# Altium PCB NewGateway.PcbDoc
Units mm, origin at the board's own origin, x right, y up, seen from the top; angles counter-clockwise.
Board outline 98 x 80 mm, 2 copper layers (Top Layer, Bottom Layer); 90 components, 62 nets, 257 pads, 67 vias.
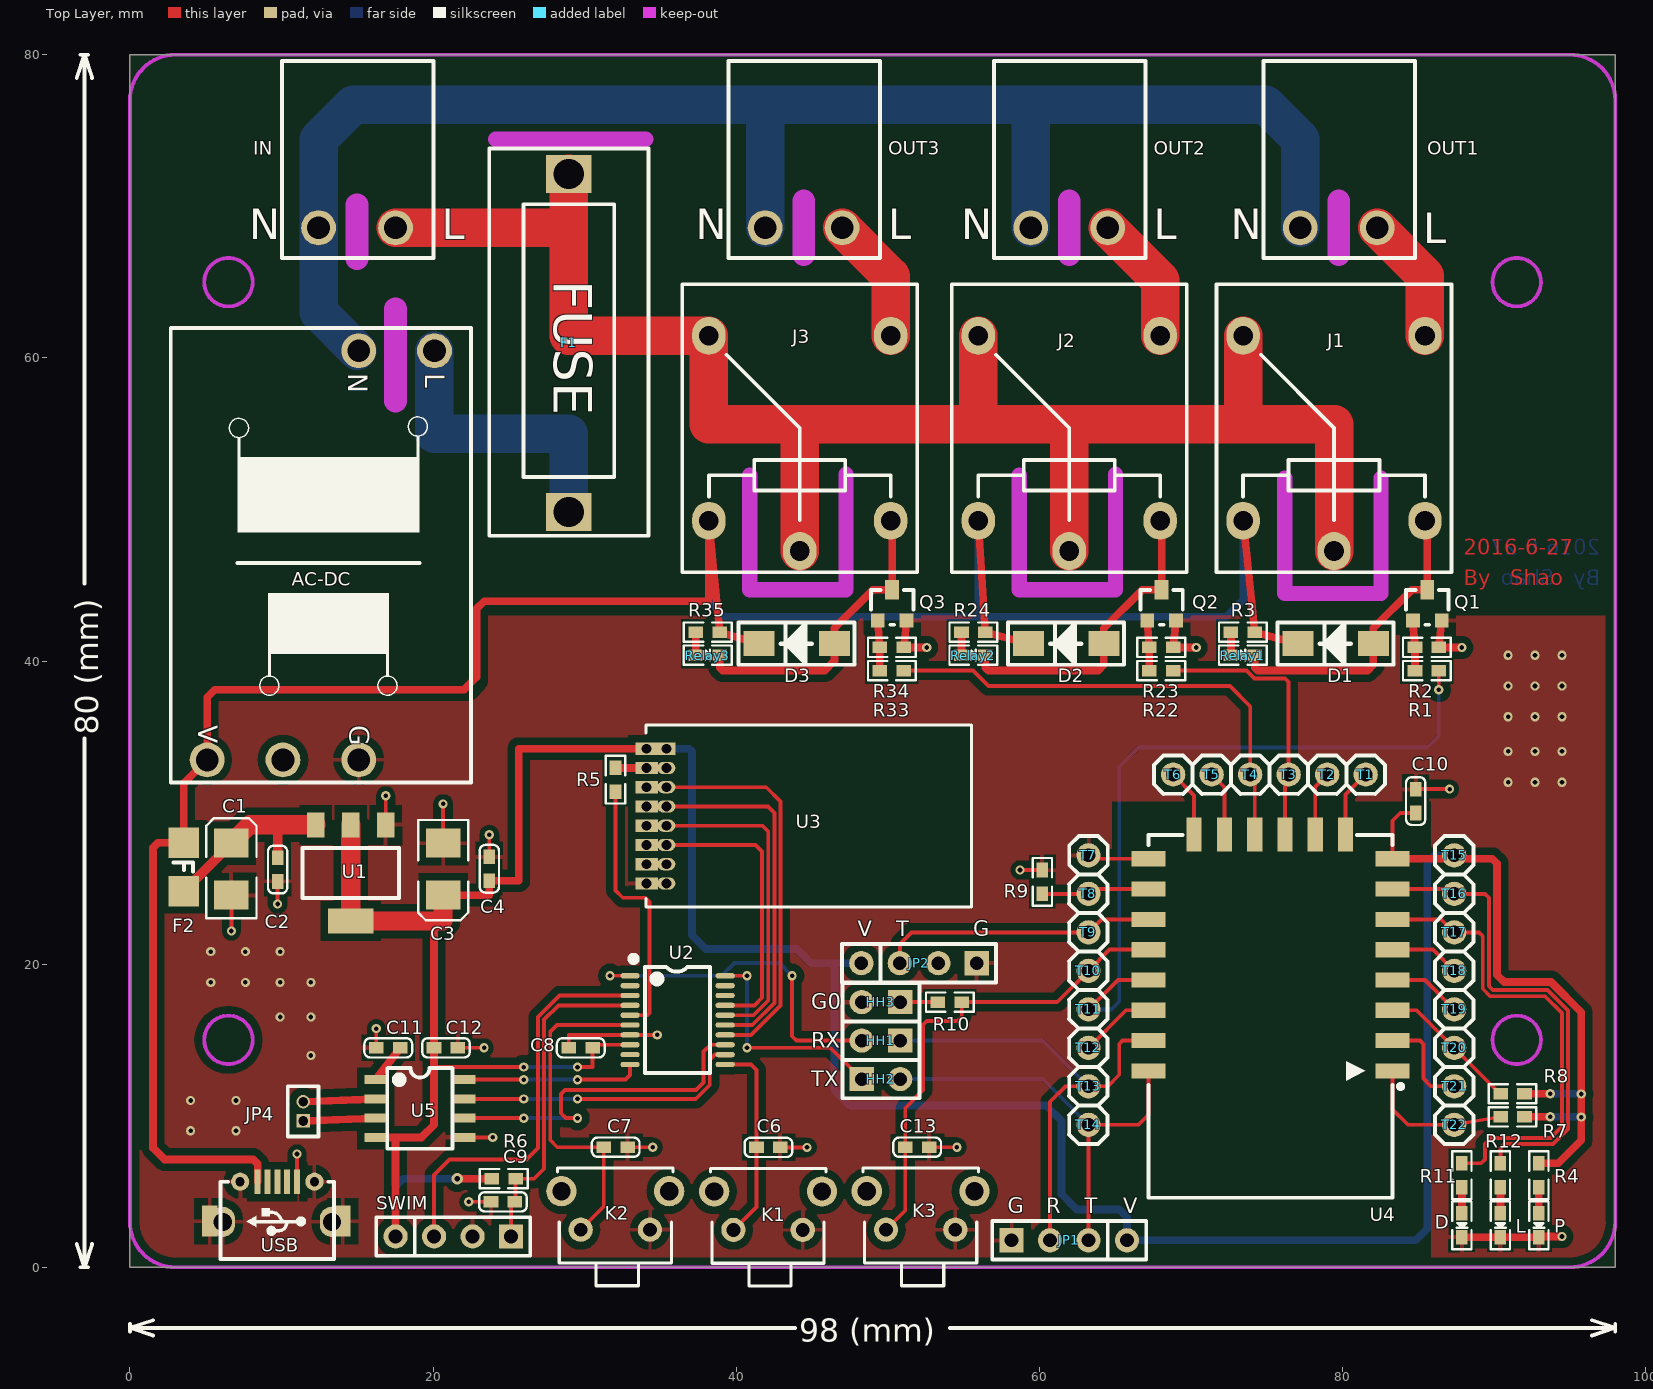
[diagram p0: Top Layer view]
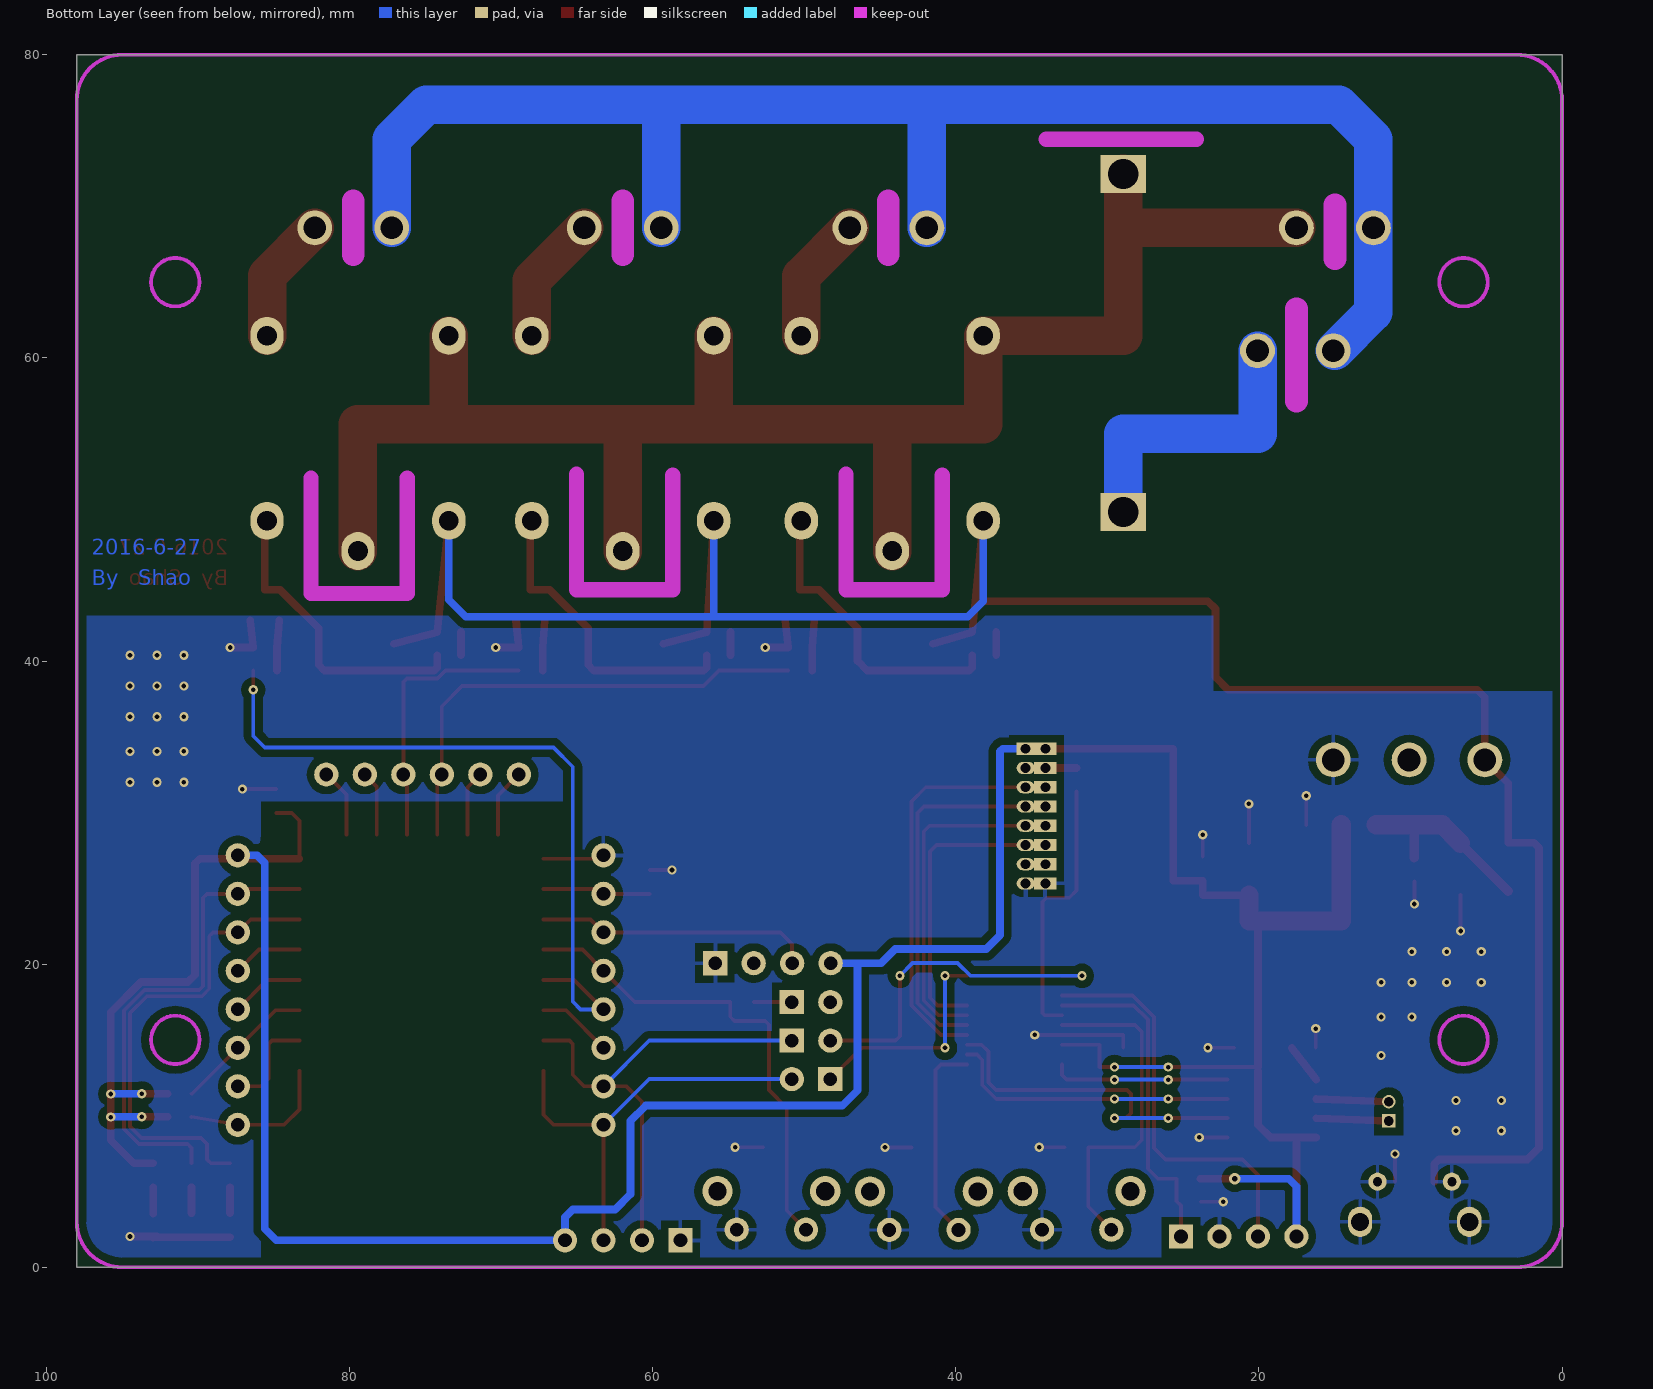
[diagram p1: Bottom Layer view, seen from below]
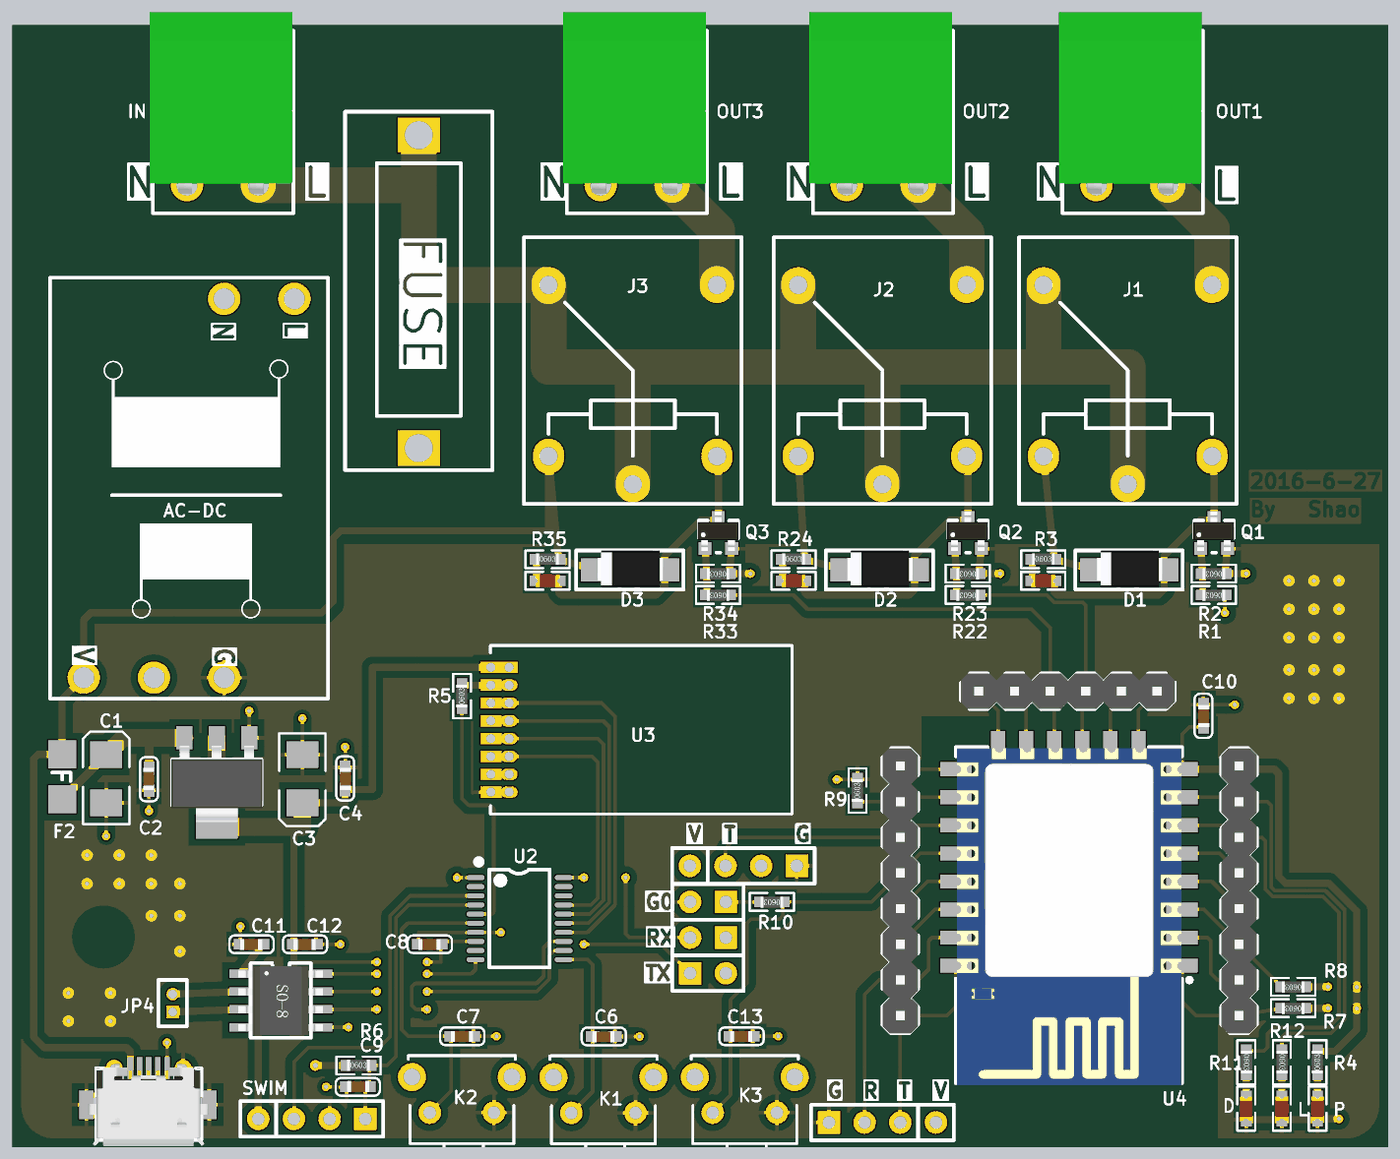
[diagram p2: 3D render of the assembled board from above, using the file's embedded part models]

## Layer stack, top to bottom
Top Layer: signal copper 0.0356
Dielectric: dielectric 0.32, FR-4, Dk 4.8
Bottom Layer: signal copper 0.0356

## Board outline
0,0 0,80 98,80 98,0

## Design rules (kind name [scope] priority, off if disabled: settings)
Clearance "InPolygon TO InPolygon" [IsRegion vs InPolygon] p1: gap=0.762
Clearance Clearance_InPolygon [InPolygon] p2: gap=0.508
Clearance Clearance_IsKeepOut [IsKeepOut] p3: gap=0.508
Clearance Clearance_IsPad [IsPad] p4: gap=0.152
Clearance Clearance_IsVia [IsVia] p5: gap=0.152
Clearance [All] p6: gap=0.152
ComponentClearance [All] p1 off: gap=0.254 collisioncheckmode=3 verticalgap=0.254 showdistances=FALSE
HoleSize [All] p1: absolutevalues=TRUE maxlimit=5.08 minlimit=0.152 maxpercent=80.000 minpercent=20.000
HoleToHoleClearance [All] p1 off: gap=0.254 allowstackedmicrovias=TRUE
MinimumSolderMaskSliver [All] p1 off: minsoldermaskwidth=0.254
PlaneClearance [All] p1: clearance=0.305
PlaneConnect PlaneConnect_IsVia [IsVia] p1: planeconnectstyle=Direct reliefexpansion=0.508 reliefentries=4 reliefconductorwidth=0.254 reliefairgap=0.254
PlaneConnect [All] p2: planeconnectstyle=Relief reliefexpansion=0.508 reliefentries=4 reliefconductorwidth=0.254 reliefairgap=0.254
PolygonConnect PolygonConnect_Direct [InNetClass('去除地')] p1: connectstyle=Direct reliefconductorwidth=0.254 reliefentries=4 polygonreliefangle="90 Angle"
PolygonConnect PolygonConnect_IsVia [IsVia] p2: connectstyle=Direct reliefconductorwidth=0.254 reliefentries=4 polygonreliefangle="90 Angle"
PolygonConnect PolygonConnect_IsThruPin [IsThruPin vs InNet('GND')] p3: connectstyle=Relief reliefconductorwidth=0.254 reliefentries=4 polygonreliefangle="90 Angle"
PolygonConnect PolygonConnect_IsSMTPin [IsSMTPin vs InNet('GND')] p4: connectstyle=Relief reliefconductorwidth=0.254 reliefentries=4 polygonreliefangle="90 Angle"
RoutingVias [All] p1: holewidth=0.305 width=0.61 viastyle="Through Hole" minholewidth=0.305 minwidth=0.61 maxholewidth=5.08 maxwidth=12.7
SilkToSilkClearance [All] p1 off: silktosilkclearance=0.254
SilkscreenOverComponentPads [All] p1 off: minsilkscreentomaskgap=0.254
SolderMaskExpansion [All] p1: expansion=0.102
Width [All] p1: maxlimit=12.7 minlimit=0.152 preferedwidth=0.254
20 further rules are at their usual default settings.

## Classes and differential pairs
net class 去除地: +3.3V +5V ADC CH_PD CS0 D DKA_BUSY DKA_RET DKA_SD DTX F GDO0 GDO2 GPIO0 GPIO5 GPIO14 GPIO15 GPIO16 L MISO MOSI N NetAC-DC_L NetC1_1 NetC6_1 NetC11_2 NetD1_1 NetD2_1 NetD3_1 NetDEPLOY_1 NetHH1_2 NetHH2_1 NetHH3_1 NetJP4_1 NetJP4_2 NetLINK_1 NetPower_1 NetQ1_B NetQ2_B NetQ3_B NetR3_1 NetR24_1 NetR35_1 PA2 PA3 RELAY1 RELAY2 RELAY3 RESET RST RX SCLK SPI_CSN SPI_MISO SPI_MOSI SPI_SCK SWIM TX

## Components (designator, comment, footprint, x,y, rotation, side; value= is the part's Value field where it differs from the comment)
AC-DC "AC-DC" AC-DC 2.794,61.976 r270 top
C1 "22uF" C3528 6.694,26.268 r90 top
C2 "104" C0603 9.742,27.03 r270 top
C3 "22uF" C3528 20.664,26.268 r270 top
C4 "104" C0603 23.712,25.506 r90 top
C6 "104" C0603 41.344,7.906 r0 top
C7 "104" C0603 31.262,7.922 r0 top
C8 "104" C0603 28.956,14.478 r0 top
C9 "104" C0603 25.4,4.318 r180 top
C10 "104" C0603 84.836,29.972 r90 top
C11 "104" C0603 16.256,14.478 r0 top
C12 "104" C0603 20.066,14.478 r0 top
C13 "104" C0603 51.156,7.922 r0 top
D "LED" LED0603 87.884,3.556 r270 top (schematic designator DEPLOY)
D1 "M7" DO-214A 82.042,41.148 r180 top
D2 "M7" DO-214A 64.262,41.148 r180 top
D3 "M7" DO-214A 46.482,41.148 r180 top
F1 "FUSE" "Fuse Holder" 28.956,72.136 r270 top
F2 "FUSE" F1208 3.556,26.416 r270 top
HH1 "" SIP2-2.54MM 50.822,14.956 r180 top
HH2 "" SIP2-2.54MM 48.282,12.416 r0 top
HH3 "" SIP2-2.54MM 50.822,17.496 r180 top
IN "" 2EDG_5.08_2P 14.986,68.58 r180 top
J1 "HRS4H-S-DC5V" HRS4H 79.448,54.356 r0 top
J2 "HRS4H-S-DC5V" HRS4H 61.976,54.356 r0 top
J3 "HRS4H-S-DC5V" HRS4H 44.196,54.356 r0 top
JP1 "烧写" SIP4-2.54MM 58.166,1.778 r0 top
JP2 "TX1" SIP4-2.54MM 55.88,20.066 r180 top
JP4 "speaker" SIP2-1.27MM 11.43,9.652 r90 top
K1 "SET" SW-TACT-4.5MM 42.106,-1.238 r0 top
K2 "RESET" SW-TACT-4.5MM 32.024,-1.222 r0 top
K3 "Relay" SW-TACT-4.5MM 52.172,-1.222 r0 top
L "LED" LED0603 90.424,3.556 r270 top (schematic designator LINK)
OUT1 "" 2EDG_5.08_2P 79.756,68.58 r180 top
OUT2 "" 2EDG_5.08_2P 61.976,68.58 r180 top
OUT3 "" 2EDG_5.08_2P 44.45,68.58 r180 top
P "LED" LED0603 92.964,3.556 r270 top (schematic designator Power)
Q1 "NPN" SOT23 85.598,44.704 r0 top
Q2 "NPN" SOT23 68.072,44.704 r0 top
Q3 "NPN" SOT23 50.292,44.704 r0 top
R1 "1K" R0603 86.36,39.37 r180 top
R2 "10K" R0603 86.36,40.894 r180 top
R3 "1K" R0603 72.644,41.91 r0 top
R4 "1K" R0603 92.964,5.283 r90 top
R5 "1K" R0603 32.036,31.38 r90 top
R6 "10K" R0603 23.876,5.842 r0 top
R7 "10K" R0603 92.011,9.925 r180 top
R8 "10K" R0603 92.011,11.449 r180 top
R9 "10K" R0603 60.198,24.638 r90 top
R10 "10K" R0603 54.886,17.496 r180 top
R11 "1K" R0603 87.884,6.858 r270 top
R12 "1K" R0603 90.424,6.858 r270 top
R22 "1K" R0603 68.834,39.37 r180 top
R23 "10K" R0603 68.834,40.894 r180 top
R24 "1K" R0603 54.864,41.91 r0 top
R33 "1K" R0603 51.054,39.37 r180 top
R34 "10K" R0603 51.054,40.894 r180 top
R35 "1K" R0603 37.338,41.91 r0 top
Relay1 "LED" LED0603 72.644,40.386 r0 top
Relay2 "LED" LED0603 54.864,40.386 r0 top
Relay3 "LED" LED0603 37.338,40.386 r0 top
SWIM "SWIM" SIP4-2.54MM 25.146,2.032 r180 top (schematic designator JP3)
T1 "" TP 81.534,32.512 r180 top
T2 "" TP 78.994,32.512 r180 top
T3 "" TP 76.454,32.512 r180 top
T4 "" TP 73.914,32.512 r180 top
T5 "" TP 71.374,32.512 r180 top
T6 "" TP 68.834,32.512 r180 top
T7 "" TP 63.246,27.178 r0 top
T8 "" TP 63.246,24.638 r90 top
T9 "" TP 63.246,22.098 r90 top
T10 "" TP 63.246,19.558 r90 top
T11 "" TP 63.246,17.018 r90 top
T12 "" TP 63.246,14.478 r90 top
T13 "" TP 63.246,11.938 r90 top
T14 "" TP 63.246,9.398 r90 top
T15 "" TP 87.376,27.178 r0 top
T16 "" TP 87.376,24.638 r90 top
T17 "" TP 87.376,22.098 r90 top
T18 "" TP 87.376,19.558 r90 top
T19 "" TP 87.376,17.018 r90 top
T20 "" TP 87.376,14.478 r90 top
T21 "" TP 87.376,11.938 r90 top
T22 "" TP 87.376,9.398 r90 top
U1 "AMS1117" SOT223 14.568,26.014 r180 top
U2 "STM8L101-TSSOP20" TSSOP20 36.136,16.306 r0 top
U3 "CC1101" CC1101S 34.068,23.76 r0 top
U4 "ESP8266" ESP-12E 83.312,12.954 r180 top
U5 "DKA120" SOIC8 19.136,10.472 r0 top
USB "USB" USB-Micro 9.652,4.318 r90 top

## Footprints (in the part's own frame and the unit in brackets; to place one, negate y for a bottom-side part, rotate by r counter-clockwise, add the part's x,y. Pads: shape width x height; smd on the part's side, far side on the other; paste and mask are expansions set on the pad)
2EDG_5.08_2P [mm] "2EDG连接器"
  round 2.3 hole 1.5: 1(-2.54,0) 2(2.54,0)
  silkscreen extent -5.04,-11 4.96,2, body extent -4.95,-12.32 5.21,0.64, height 8.2
AC-DC [mm]
  round 2.3 hole 1.5: 5V(28.5,2.3) C(28.5,7.3) GND(28.5,12.3) L(1.5,17.3) N(1.5,12.3)
  silkscreen extent 0,-0.1 30,19.7
C0603 [mil]
  rect 38x30 smd: 1(0,0) 2(62,0)
  silkscreen extent -31,-25 93,25, body extent -1,-16 61,15, height 24
C3528 [mil]
  rect 75x90 smd: 1(67.5,0) 2(-67.5,0)
  silkscreen extent -128,-65 132,65
CC1101S [mm] "AS07-M1101S"
  rect 1.5x0.8 hole 0.65: 1(0.023,10.453) 2(0.023,9.183) 3(0.023,7.913) 4(0.023,6.643) 5(0.023,5.373) 6(0.023,4.103) 7(0.023,2.833) 8(0.023,1.563)
  rect 1.2x0.8 hole 0.65: 1(1.323,10.453)
  oval 1.2x0.8 hole 0.65: 2(1.323,9.183) 3(1.323,7.913) 4(1.323,6.643) 5(1.323,5.373) 6(1.323,4.103) 7(1.323,2.833) 8(1.323,1.563)
  silkscreen extent -0.01,0 21.46,12.01
DO-214A [mil]
  rect 80x65 smd: 1(0,0) 2(196,0)
  silkscreen extent -52,-55 249,55, body extent 5,-55 189,49, height 89
ESP-12E [mm] "ESP-12E Wi-Fi Module by AI-Thinker"
  rect 2.25x1 smd: 1(0,0) 2(0,-2) 3(0,-4) 4(0,-6) 5(0,-8) 6(0,-10) 7(0,-12) 8(0,-14) 15(16.1,-14) 16(16.1,-12) 17(16.1,-10) 18(16.1,-8) 19(16.1,-6) 20(16.1,-4) 21(16.1,-2) 22(16.1,0)
  rect 1x2.25 smd: 9(3.1,-15.6) 10(5.1,-15.6) 11(7.1,-15.6) 12(9.1,-15.6) 13(11.1,-15.6) 14(13.1,-15.6)
  silkscreen extent -0.67,-15.57 16.11,8.37, body extent 0.03,-15.49 16.03,8.51, height 2.75
F1208 [mm] "贴片保险丝-1A"
  rect 2x2 smd: 1(-1.6,0) 2(1.6,0)
  silkscreen extent -0.3,-0.7 0.3,0.6
"Fuse Holder" [mm] "保险丝座底座"
  rect 2.5x3 hole 2: 1(0,0) 2(22.3,0)
  silkscreen extent -1.68,-5.25 23.87,5.25
HRS4H [mm] "继电器-10A"
  oval 2.2x2.5 hole 1.3: 1(-6,-5.1) 2(6,-5.1) 3(0,-7.1) 4(6,7.1) 5(-6,7.1)
  silkscreen extent -7.75,-8.5 7.75,10.5
LED0603 [mil]
  rect 38x30 smd: 1(0,0) 2(62,0)
  silkscreen extent -31,-25 93,25, body extent -2,-18 64,17, height 35
R0603 [mil]
  rect 38x30 smd: 1(0,0) 2(62,0)
  silkscreen extent -31,-25 93,25, body extent 0,-15 62,16, height 18
SIP2-1.27MM [mil]
  rect 35x35 hole 25: 1(0,0)
  round 35 hole 25: 2(50,0)
  silkscreen extent -40,-40 90,40
SIP2-2.54MM [mm]
  rect 1.6x1.6 hole 0.9: 1(0,0)
  round 1.6 hole 0.9: 2(2.54,0)
  silkscreen extent -1.27,-1.27 3.81,1.27
SIP4-2.54MM [mm]
  rect 1.6x1.6 hole 0.9: 1(0,0)
  round 1.6 hole 0.9: 2(2.54,0) 2(2.54,0) 3(5.08,0) 4(7.62,0)
  silkscreen extent -1.27,-1.27 8.89,1.27
SOIC8 [mm]
  rect 1.5x0.6 smd: 1(-2.921,1.905) 2(-2.921,0.635) 3(-2.921,-0.635) 4(-2.921,-1.905) 5(2.921,-1.905) 6(2.921,-0.635) 7(2.921,0.635) 8(2.921,1.905)
  silkscreen extent -2.16,-2.65 2.14,2.68, body extent -3.02,-2.46 2.98,2.44, height 1.7
SOT23 [mil]
  rect 36x36 smd: B(-37.5,-80) E(37.5,-80)
  rect 36x50 smd: C(0,0)
  silkscreen extent -55,-91 55,-1, body extent -58,-86 56,24, height 51
SOT223 [mil]
  rect 45x65 smd: 1(-91,-125) 2(0,-125) 3(91,-125)
  rect 118x65 smd: 4(0,125)
  silkscreen extent -125,-65 125,65, body extent -128,-134 128,142, height 55
SW-TACT-4.5MM [mm]
  round 1.6 hole 0.9: 1(-2.286,3.7) 2(2.286,3.7)
  round 2 hole 1.2: 3(-3.556,6.24) 4(3.556,6.24)
  silkscreen extent -3.81,0 3.81,7.76
TP [mm]
  round 1.6 hole 0.9: 1(0,0)
  silkscreen extent -1.27,-1.26 1.27,1.28, body extent -1.27,-1.27 1.27,1.27, height 8.54
TSSOP20 [mm]
  oval 1.27x0.35 smd: 1(-3.137,2.925) 2(-3.137,2.275) 3(-3.137,1.625) 4(-3.137,0.975) 5(-3.137,0.325) 6(-3.137,-0.325) 7(-3.137,-0.975) 8(-3.137,-1.625) 9(-3.137,-2.275) 10(-3.137,-2.925) 11(3.137,-2.925) 12(3.137,-2.275) 13(3.137,-1.625) 14(3.137,-0.975) 15(3.137,-0.325) 16(3.137,0.325) 17(3.137,0.975) 18(3.137,1.625) 19(3.137,2.275) 20(3.137,2.925)
  silkscreen extent -3.06,-3.48 2.14,4.19
USB-Micro [mm] "直插Micro-USB"
  rect 1.6x0.4 smd: 1(1.325,1.227) 2(1.325,0.577) 3(1.325,-0.073) 4(1.325,-0.723) 5(1.325,-1.373)
  oval 2x1.6 hole 1.2: 6(-1.325,3.527) 7(-1.325,-3.673)
  rect 2.032x1.016 smd: 6(-1.275,4.381) 7(-1.275,-4.381)
  round 1.2 hole 0.6: 8(1.325,2.377) 9(1.325,-2.523)
  silkscreen extent -3.77,-3.82 1.32,3.68, body extent -4.23,-4.36 1.64,4.24, height 2.73

## Part data
AC-DC: "5V700mA(3.5W) 隔离开关电源模块/AC-DC降压模块"
C1 C3: library part CAPACITOR, "极性电容"
C2 C4 C6 C7 C8 C9 C10 C11 C12 C13: library part CAP, "无极性电容"
D L P Relay1 Relay2 Relay3: "LED灯"
D1 D2 D3: library part DIODE, "二极管"
F1 F2: "保险丝"
HH1 HH2 HH3 IN JP4 OUT1 OUT2 OUT3: library part "HEADER 2X1", "2P接插件"
J1 J2 J3: "HKE汇港继电器"
JP1 JP2 SWIM: library part "HEADER 4X1", "4P接插件"
K1 K2 K3: library part SW-PB, "按键"
Q1 Q2 Q3: "NPN三极管"
R1 R2 R3 R4 R5 R6 R7 R8 R9 R10 R11 R12 R22 R23 R24 R33 R34 R35: library part RES2, "贴片电阻"
T1 T2 T3 T4 T5 T6 T7 T8 T9 T10 T11 T12 T13 T14 T15 T16 T17 T18 T19 T20 T21 T22: library part TP, "测试点/触摸点"
U1: "稳压芯片(LDO)"
U2: "STM8单片机20引脚"
U3: library part "HEADER 8X1", "8P接插件"
U4: library part ESP8266-12E, "ESP8266贴片模块12E-F"
U5: "语音芯片http://www.dk1699.com/"
USB: "通用串行总线(USB)"

## Via types
v1: diameter 0.61, hole 0.305, Top Layer to Bottom Layer, 66 vias
v2: diameter 0.762, hole 0.381, Top Layer to Bottom Layer, 1 vias

## Nets (pads, with @x,y where several pads share a name; then routed paths per layer and width w, separated by ;. In a path a pad name is that pad's centre, name@x,y a point inside that pad or via, vN(x,y) a via of type N, cw(c..) or ccw(c..) an arc to the next point about the centre after c; other vN are vias at no path point)
+3.3V: C3.1 C4.1 C8.2 C10.1 C12.1 JP1.4 JP2.4 R4.2 R6.1 R7.1 R8.1 SWIM.4 T15.1 U1.2 U1.4 U2.8 U3.1 U4.8 U5.4 | length 237.6
  Top Layer w0.254: 20.066,12.954 20.066,13.208 v1(25.977,13.208) ; v1(29.533,13.208) 30.531,13.208 C8.2 30.531,14.681 U2.8 ; U4.8 83.312,29.464 83.82,29.972 C10.1
  Top Layer w0.508: U5.4 17.526,8.567 ; SWIM.4 17.526,8.567 ; 20.066,12.954 20.066,9.398 19.235,8.567 17.526,8.567 ; 20.066,13.208 C12.1 20.066,22.839 ; C3.1 23.712,24.553 C4.1 25.654,25.506 25.654,34.213 U3.1@34.091,34.213 ; v2(21.59,5.842) R6.1 ; U4.8 89.886,26.954 90.195,26.645 90.195,19.304 90.678,18.821 93.76,18.821 95.758,16.823 v1(95.758,11.43) v1(95.758,9.906) 95.758,8.382 94.234,6.858 R4.2 ; R7.1 v1(93.707,9.925) ; R8.1 v1(93.707,11.449)
  Top Layer w1.27: U1.2 U1.4 20.066,22.839 20.664,22.839 C3.1
  Bottom Layer w0.254: v1(25.977,13.208) v1(29.533,13.208)
  Bottom Layer w0.508: SWIM.4 17.526,5.334 18.034,5.842 v2(21.59,5.842) ; U3.1@35.391,34.213 36.907,34.213 37.084,34.036 37.084,21.916 38,21 44,21 44.934,20.066 JP2.4 ; 46.482,19.812 46.482,11.684 47.498,10.668 60.452,10.668 61.468,9.652 61.468,4.826 62.484,3.81 65.278,3.81 65.786,3.302 JP1.4 84.836,1.778 85.598,2.54 85.598,26.67 86.106,27.178 T15.1 ; v1(93.707,9.925) 95.739,9.925 v1(95.758,9.906) ; v1(93.707,11.449) 95.739,11.449 v1(95.758,11.43)
+5V: AC-DC.5V D1.2 D2.2 D3.2 F2.1 J1.1 J2.1 J3.1 R3.2 R24.2 R35.2 USB.1 | length 168.5
  Top Layer w0.508: USB.1 8.425,6.815 8.128,7.112 2.286,7.112 1.524,7.874 1.524,27.686 1.854,28.016 F2.1 3.556,31.938 AC-DC.5V 5.094,37.606 5.588,38.1 22.04,38.1 22.86,38.92 22.86,43.434 23.368,43.942 35.814,43.942 38.196,43.942 J3.1@38.196,49.064 ; D3.2 R35.2 J3.1 ; J2.1 R24.2 D2.2 ; J1.1 R3.2 D1.2 ; J3.1@38.196,49.064 38.1,49.16 J3.1 ; J3.1@38.196,49.064 J3.1
  Bottom Layer w0.508: J3.1 38.196,43.948 39.218,42.926 56.134,42.926 ; J2.1 55.976,43.084 56.134,42.926 ; J1.1 73.448,44.035 72.339,42.926 56.134,42.926
ADC: T21.1 U4.2 | length 6.7
  Top Layer w0.254: U4.2 85.122,14.954 85.344,14.732 85.344,12.446 85.852,11.938 T21.1
CH_PD: R8.2 T20.1 U4.3 | length 9.4
  Top Layer w0.254: U4.3 84.9,16.954 T20.1 90.405,11.449 R8.2
CS0: T1.1 U4.9 | length 4.5
  Top Layer w0.254: U4.9 80.212,31.19 T1.1
DEPLOY: R11.1 T17.1 U4.6 | length 32
  Top Layer w0.254: U4.6 86.52,22.954 T17.1 89.002,22.098 89.256,21.844 89.256,18.374 89.748,17.882 91.948,17.882 ; R11.1 89.154,6.858 89.408,7.112 89.408,8.128 89.814,8.534 93.726,8.534 94.488,9.296 94.488,16.764 93.37,17.882 91.948,17.882 ; 92.456,17.882 91.948,17.882
DKA_BUSY: U2.10 U5.8 | length 11.8
  Top Layer w0.254: U5.8 v1(25.977,12.377) ; v1(29.533,12.377) 32.697,12.377 32.999,12.679 U2.10
  Bottom Layer w0.254: v1(25.977,12.377) v1(29.533,12.377)
DKA_RET: U2.13 U5.6 | length 23.3
  Top Layer w0.254: U5.6 v1(25.977,9.837) ; v1(29.533,9.837) 28.771,9.837 28.448,10.16 28.448,11.43 28.709,11.691 37.345,11.691 37.846,12.192 37.846,14.224 38.303,14.681 U2.13
  Bottom Layer w0.254: v1(25.977,9.837) v1(29.533,9.837)
DKA_SD: U2.12 U5.7 | length 19.4
  Top Layer w0.254: U5.7 v1(25.977,11.107) ; v1(29.533,11.107) 37.336,11.107 38.252,12.024 38.252,13.675 38.608,14.031 U2.12
  Bottom Layer w0.254: v1(25.977,11.107) v1(29.533,11.107)
DTX: JP2.3 T9.1 U4.17 | length 18.4
  Top Layer w0.254: JP2.3 50.8,21.336 51.562,22.098 T9.1 64.102,22.954 U4.17
F1: J1.4 OUT1.1 | length 8.4
  Top Layer w2.54: OUT1.1 85.448,65.428 J1.4
F2: J2.4 OUT2.1 | length 8.6
  Top Layer w2.54: OUT2.1 67.976,65.12 J2.4
F3: J3.4 OUT3.1 | length 8.5
  Top Layer w2.54: OUT3.1 50.196,65.374 J3.4
GDO0: R5.2 U3.2 | length 2.1
  Top Layer w0.508: R5.2@32.036,32.943 U3.2@34.091,32.943
GDO2: U3.7
GND: AC-DC.GND C1.2 C2.2 C3.2 C4.2 C6.2 C7.2 C8.1 C9.2 C10.2 C11.1 C12.2 C13.2 D.2 HH3.2 JP1.1 JP2.1 K1.2 K2.2 K3.2 L.2 P.2 Q1.E Q2.E Q3.E R2.1 R9.2 R23.1 R34.1 SWIM.2 T7.1 U1.1 U2.7 U3.8 U4.15 U5.5 USB.5 USB.6 USB.7 USB.8 USB.9 | length 54.6
  Top Layer w0.254: v1(6.694,22.188) C1.2 ; v1(9.742,23.966) C2.2 ; USB.5 v1(11.025,7.469) ; C11.1 v1(16.256,15.748) ; U1.1 v1(16.879,31.103) ; C3.2 v1(20.664,30.57) ; C12.2 v1(23.368,14.478) ; U5.5 v1(23.945,8.567) ; v1(22.352,4.318) C9.2 ; C4.2 v1(23.712,28.538) ; C8.1 28.956,15.331 U2.7 v1(34.798,15.331) ; C7.2 v1(34.496,7.922) ; C6.2 v1(44.672,7.906) ; C13.2 v1(54.562,7.922) ; v1(58.725,26.213) R9.2 ; T7.1 63.47,26.954 U4.15 ; Q2.E@68.834,42.481 Q2.E ; C10.2 v1(87.071,31.547)
  Top Layer w0.508: Q3.E R34.1 v1(52.578,40.894) ; Q2.E R23.1 v1(70.358,40.894) ; Q1.E R2.1 v1(87.884,40.894) ; D.2 L.2 P.2@92.71,1.981 ; P.2@92.71,2.032 v1(94.488,2.032) ; P.2@92.964,1.956 P.2@92.964,2.007
  other v1: 4,9 7,9 4,11 7,11 11.938,13.97 9.906,16.51 11.938,16.51 5.334,18.796 7.62,18.796 9.906,18.796 11.938,18.796 5.334,20.828 7.62,20.828 9.906,20.828 90.932,32.004 92.71,32.004 94.488,32.004 90.932,34.036 92.71,34.036 94.488,34.036 90.932,36.322 92.71,36.322 94.488,36.322 90.932,38.354 92.71,38.354 94.488,38.354 90.932,40.386 92.71,40.386 94.488,40.386
GPIO0: C13.1 K3.1 R10.1 T10.1 U4.18 | length 32
  Top Layer w0.254: K3.1 51.156,3.748 C13.1 51.156,10.516 52.324,11.684 52.324,16.002 52.578,16.256 53.646,16.256 54.61,16.256 54.886,16.532 R10.1 61.184,17.496 T10.1 64.642,20.954 U4.18
GPIO5: T12.1 U4.20 | length 5
  Top Layer w0.254: T12.1 65.722,16.954 U4.20
GPIO14: T18.1 U4.5 | length 4.6
  Top Layer w0.254: U4.5 85.98,20.954 T18.1
GPIO15: R9.1 T8.1 U4.16 | length 7.1
  Top Layer w0.254: R9.1 T8.1 63.562,24.954 U4.16
GPIO16: T19.1 U4.4 | length 4.9
  Top Layer w0.254: U4.4 85.44,18.954 T19.1
L: F1.1 IN.1 J1.3 J1.5 J2.3 J2.5 J3.3 J3.5 | length 115.2
  Top Layer w2.54: IN.1 28.956,68.58 ; F1.1 28.956,68.58 ; J3.3 44.196,55.626 ; J2.5 55.976,55.626 ; J2.3 61.976,55.626 ; J1.5 73.448,55.626 ; J1.3 79.448,55.626 73.448,55.626 ; 28.956,68.58 28.956,61.456 J3.5 38.196,55.626 44.196,55.626 ; 44.196,55.626 55.976,55.626 ; 55.976,55.626 61.976,55.626 ; 61.976,55.626 73.448,55.626
LINK: R12.1 T16.1 U4.7 | length 33.2
  Top Layer w0.254: U4.7 87.06,24.954 T16.1 89.408,24.638 89.662,24.384 89.662,18.542 89.916,18.288 91.948,18.288 ; R12.1 90.424,7.874 90.678,8.128 93.894,8.128 94.894,9.128 94.894,16.932 93.539,18.288 91.948,18.288 ; 92.964,18.288 91.948,18.288
MISO: T2.1 U4.10 | length 4.3
  Top Layer w0.254: U4.10 78.212,31.73 T2.1
MOSI: T5.1 U4.13 | length 4.3
  Top Layer w0.254: T5.1 72.212,31.674 U4.13
N: AC-DC.N IN.2 OUT1.2 OUT2.2 OUT3.2 | length 103.9
  Bottom Layer w2.54: AC-DC.N@14.998,60.476 12.446,63.028 IN.2 12.446,74.422 14.732,76.708 42.164,76.708 ; OUT3.2 41.91,76.454 42.164,76.708 ; OUT2.2 59.436,76.708 ; OUT1.2 77.216,74.422 74.93,76.708 59.436,76.708 ; 42.164,76.708 59.436,76.708
NetAC-DC_L: AC-DC.L F1.2 | length 19.5
  Bottom Layer w2.54: AC-DC.L 20.094,55 28.956,55 F1.2
NetC1_1: C1.1 C2.1 F2.2 U1.3 | length 12.8
  Top Layer w0.635: F2.2 6.694,27.954 C1.1 ; C2.1 9.742,29.025 9.906,29.189
  Top Layer w1.27: C1.1 7.9,29.189 9.906,29.189 U1.3
NetC6_1: C6.1 K1.1 U2.11 | length 13.4
  Top Layer w0.254: U2.11 40.975,13.381 41.344,13.012 C6.1 41.344,3.986 K1.1
NetC11_2: C11.2 U5.1 | length 2.7
  Top Layer w0.508: U5.1 C11.2
NetD1_1: D1.1 J1.2 Q1.C Relay1.2 | length 20.5
  Top Layer w0.508: Relay1.2 74.219,39.573 74.422,39.37 81.661,39.37 82.042,39.751 D1.1 82.042,42.157 84.589,44.704 Q1.C 85.598,49.106 J1.2
NetD2_1: D2.1 J2.2 Q2.C Relay2.2 | length 20.7
  Top Layer w0.508: Relay2.2 56.439,39.573 56.642,39.37 63.881,39.37 64.262,39.751 D2.1 64.262,42.157 66.809,44.704 Q2.C 68.072,49.16 J2.2
NetD3_1: D3.1 J3.2 Q3.C Relay3.2 | length 20.3
  Top Layer w0.508: Relay3.2 38.913,39.573 39.116,39.37 45.847,39.37 46.482,40.005 D3.1 46.482,42.157 49.029,44.704 Q3.C 50.292,49.16 J3.2
NetDEPLOY_1: D.1 R11.2 | length 1.7
  Top Layer w0.508: D.1 R11.2
NetHH1_2: HH1.2 U2.1 | length 23.7
  Top Layer w0.254: v1(31.677,19.231) U2.1 ; v1(43.688,19.231) 43.688,15.24 43.972,14.956 HH1.2
  Bottom Layer w0.254: v1(31.677,19.231) 39.043,19.231 39.878,20.066 ; 40.894,20.066 39.878,20.066 ; v1(43.688,19.231) 42.853,20.066 39.878,20.066
NetHH2_1: HH2.1 U2.20 | length 14.6
  Top Layer w0.254: U2.20 v1(40.713,19.231) ; v1(40.713,14.478) 46.22,14.478 HH2.1
  Bottom Layer w0.254: v1(40.713,14.478) v1(40.713,19.231)
NetHH3_1: HH3.1 R10.2 | length 2.5
  Top Layer w0.254: HH3.1 R10.2
NetJP4_1: JP4.1 U5.3 | length 4.8
  Top Layer w0.508: JP4.1 U5.3
NetJP4_2: JP4.2 U5.2 | length 4.8
  Top Layer w0.508: JP4.2 U5.2
NetLINK_1: L.1 R12.2 | length 1.7
  Top Layer w0.508: L.1 R12.2
NetPower_1: P.1 R4.1 | length 1.7
  Top Layer w0.508: P.1@92.964,3.531 R4.1@92.964,5.258
NetQ1_B: Q1.B R1.2 R2.2 | length 3.3
  Top Layer w0.508: Q1.B R2.2 R1.2
NetQ2_B: Q2.B R22.2 R23.2 | length 3.5
  Top Layer w0.254: Q2.B Q2.B@67.259,42.532
  Top Layer w0.508: Q2.B R23.2 R22.2
NetQ3_B: Q3.B R33.2 R34.2 | length 3.3
  Top Layer w0.508: Q3.B R34.2 R33.2
NetR3_1: R3.1 Relay1.1 | length 1.5
  Top Layer w0.508: Relay1.1 R3.1
NetR24_1: R24.1 Relay2.1 | length 1.5
  Top Layer w0.508: Relay2.1 R24.1
NetR35_1: R35.1 Relay3.1 | length 1.5
  Top Layer w0.508: Relay3.1 R35.1
PA2: R5.1 U2.5 | length 17.8
  Top Layer w0.254: R5.1 32.036,24.86 32.512,24.384 34.021,24.384 34.29,24.115 34.29,16.764 34.157,16.631 U2.5
PA3: C7.1 K2.1 U2.6 | length 22.4
  Top Layer w0.254: K2.1 31.262,4.002 C7.1 28.197,7.922 27.737,8.382 27.737,15.545 28.173,15.981 U2.6
RELAY1: R1.1 T11.1 U4.19 | length 48.7
  Top Layer w0.254: T11.1 65.182,18.954 U4.19 ; v1(86.36,38.1) R1.1
  Bottom Layer w0.254: T11.1 64.77,17.018 65.278,17.526 65.278,33.02 66.548,34.29 85.598,34.29 86.36,35.052 v1(86.36,38.1)
RELAY2: R22.1 T3.1 U4.11 | length 18.1
  Top Layer w0.254: R22.1 73.668,39.37 74.201,38.837 76.225,38.837 76.454,38.608 T3.1 76.212,32.27 U4.11
RELAY3: R33.1 T4.1 U4.12 | length 32.4
  Top Layer w0.254: R33.1 55.626,39.37 56.642,38.354 72.577,38.354 73.914,37.017 T4.1 74.212,32.214 U4.12
RESET: C9.1 R6.2 SWIM.1 U2.4 | length 21.9
  Top Layer w0.254: SWIM.1 25.146,4.064 C9.1 ; C9.1@25.451,4.369 R6.2 26.67,5.842 27.33,6.502 27.33,16.342 28.27,17.281 U2.4
RST: R7.2 T22.1 U4.1 | length 10.1
  Top Layer w0.254: U4.1 83.312,10.414 84.328,9.398 T22.1 R7.2
RX: HH1.1 JP1.2 T13.1 U4.21 | length 32.2
  Top Layer w0.254: JP1.2@60.706,1.778 60.706,10.922 61.722,11.938 T13.1 64.516,11.938 65.278,12.7 65.278,14.732 65.5,14.954 U4.21
  Bottom Layer w0.254: HH1.1 60.228,14.956 T13.1
SCLK: T6.1 U4.14 | length 4.5
  Top Layer w0.254: T6.1 70.212,31.134 U4.14
SPI_CSN: U2.14 U3.3 | length 25.8
  Top Layer w0.254: U3.3@35.391,31.673 41.987,31.673 42.926,30.734 42.926,17.275 40.982,15.331 U2.14
SPI_MISO: U2.17 U3.6 | length 18.8
  Top Layer w0.254: U3.6@35.391,27.863 41.276,27.863 41.707,27.432 41.707,17.78 41.208,17.281 U2.17
SPI_MOSI: U2.16 U3.5 | length 21.3
  Top Layer w0.254: U3.5@35.391,29.133 41.733,29.133 42.113,28.753 42.113,17.612 41.133,16.631 U2.16
SPI_SCK: U2.15 U3.4 | length 23.7
  Top Layer w0.254: U3.4@35.391,30.403 42.089,30.403 42.52,29.972 42.52,17.443 41.057,15.981 U2.15
SWIM: SWIM.3 U2.3 | length 27
  Top Layer w0.254: SWIM.3 20.066,6.096 21.082,7.112 25.908,7.112 26.162,7.112 26.924,7.874 26.924,9.398 26.924,16.51 28.345,17.931 U2.3
TX: HH2.2 JP1.3 T14.1 U4.22 | length 28.4
  Top Layer w0.254: JP1.3 T14.1 66.548,9.398 67.212,10.062 U4.22
  Bottom Layer w0.254: HH2.2 60.228,12.416 T14.1
pads on no net: AC-DC.C JP2.2 K1.3 K1.4 K2.3 K2.4 K3.3 K3.4 U2.2 U2.9 U2.18 U2.19 USB.2 USB.3 USB.4

## Polygon pours and split planes (outlines as drawn)
GND on Bottom Layer "Top Layer-No Net" (solid, remove dead copper, pour order 1000): 0,0 98,0 98,43 30,43 23,43 23,38 0,38
GND on Top Layer "Top Layer-No Net" (solid, remove dead copper, pour order 1001): 0,0 0,38 23,38 23,43 98,43 98,0

## Keep-outs
Keep-Out Layer:
  circle w0.254: c6.5,65 r1.6
  circle w0.254: c91.5,65 r1.6
  circle w0.254: c91.5,15 r1.6
  circle w0.254: c6.5,15 r1.6
  lines w0.254: 0,3 ccw(c3,3) 3,0 95,0 ccw(c95,3) 98,3 98,77 ccw(c95,77) 95,80 3,80 ccw(c3,77) 0,77 0,3
  lines w1: 24.13,74.422 34.036,74.422 ; 40.894,52.256 40.894,44.704 47.244,44.704 47.244,52.324 ; 58.674,52.256 58.674,44.704 65.024,44.704 65.024,52.324 ; 76.2,52.07 76.2,44.45 82.55,44.45 82.55,52.07
  lines w1.5: 14.986,66.548 14.986,70.104 ; 17.526,57.15 17.526,63.246 ; 44.45,66.802 44.45,70.358 ; 61.976,66.802 61.976,70.358 ; 79.756,66.802 79.756,70.358

## Other copper
Top Layer:
  pour cut-out: 34.061,35.768 55.436,35.768 55.436,23.855 55.523,23.768 34.061,23.768
  pour cut-out: 64.77,30.734 64.77,0.254 85.852,0.254 85.852,30.734
  text "2016-6-27" at 88,47 h1.02
  text "By   Shao" at 88,45 h1.02
Bottom Layer:
  pour cut-out: 64.77,30.734 64.77,0.254 85.852,0.254 85.852,30.734
  text "2016-6-27" at 97,47 h1.02
  text "By   Shao" at 97,45 h1.02

## Silkscreen, mask and mechanical layers (free items; w line width, h text height)
Top Overlay:
  lines w0.254: -3.508,1.524 -3,0 ; -3.508,78.476 -3,80 ; -3.254,0 -2.746,0 ; -3.254,80 -2.746,80 ; -3,34.896 -3,0 ; -3,45.104 -3,80 ; -2.492,1.524 -3,0 ; -2.492,78.476 -3,80 ; 0,-4.254 0,-3.746 ; 1.524,-4.508 0,-4 ; 1.524,-3.492 0,-4 ; 18.796,0.762 18.796,3.302 ; 43.896,-4 0,-4 ; 49.53,18.796 49.53,21.336 ; 54.104,-4 98,-4 ; 64.516,0.508 64.516,3.048 ; 96.476,-4.508 98,-4 ; 96.476,-3.492 98,-4 ; 98,-4.254 98,-3.746
  text "N" at 7.874,67.818 h2
  text "L" at 20.574,67.818 h2
  text "N" at 37.338,67.818 h2
  text "L" at 50.038,67.818 h2
  text "N" at 54.864,67.818 h2
  text "L" at 67.564,67.818 h2
  text "N" at 72.644,67.818 h2
  text "L" at 85.344,67.564 h2
  text "80 (mm)" at -2.086,35.15 h1.52 r90
  text "V" at 48.006,21.844 h1.02
  text "T" at 50.546,21.844 h1.02
  text "G" at 55.626,21.844 h1.02
  text "G0" at 44.958,17.018 h1.02
  text "RX" at 44.958,14.478 h1.02
  text "TX" at 44.958,11.938 h1.02
  text "G" at 57.912,3.556 h1.02
  text "R" at 60.452,3.556 h1.02
  text "T" at 62.992,3.556 h1.02
  text "V" at 65.524,3.564 h1.02
  text "98 (mm)" at 44.15,-4.914 h1.52

## Text inside footprints (layer, text, board x,y; h text height)
AC-DC: Top Overlay "V" at 4.494,35.776 h1.27 r270; Top Overlay "G" at 14.494,35.776 h1.27 r270; Top Overlay "N" at 14.394,58.976 h1.27 r270; Top Overlay "L" at 19.494,58.976 h1.27 r270